# Allegro board Single PMT Data AcquisitionV_3P3.brd (continued)
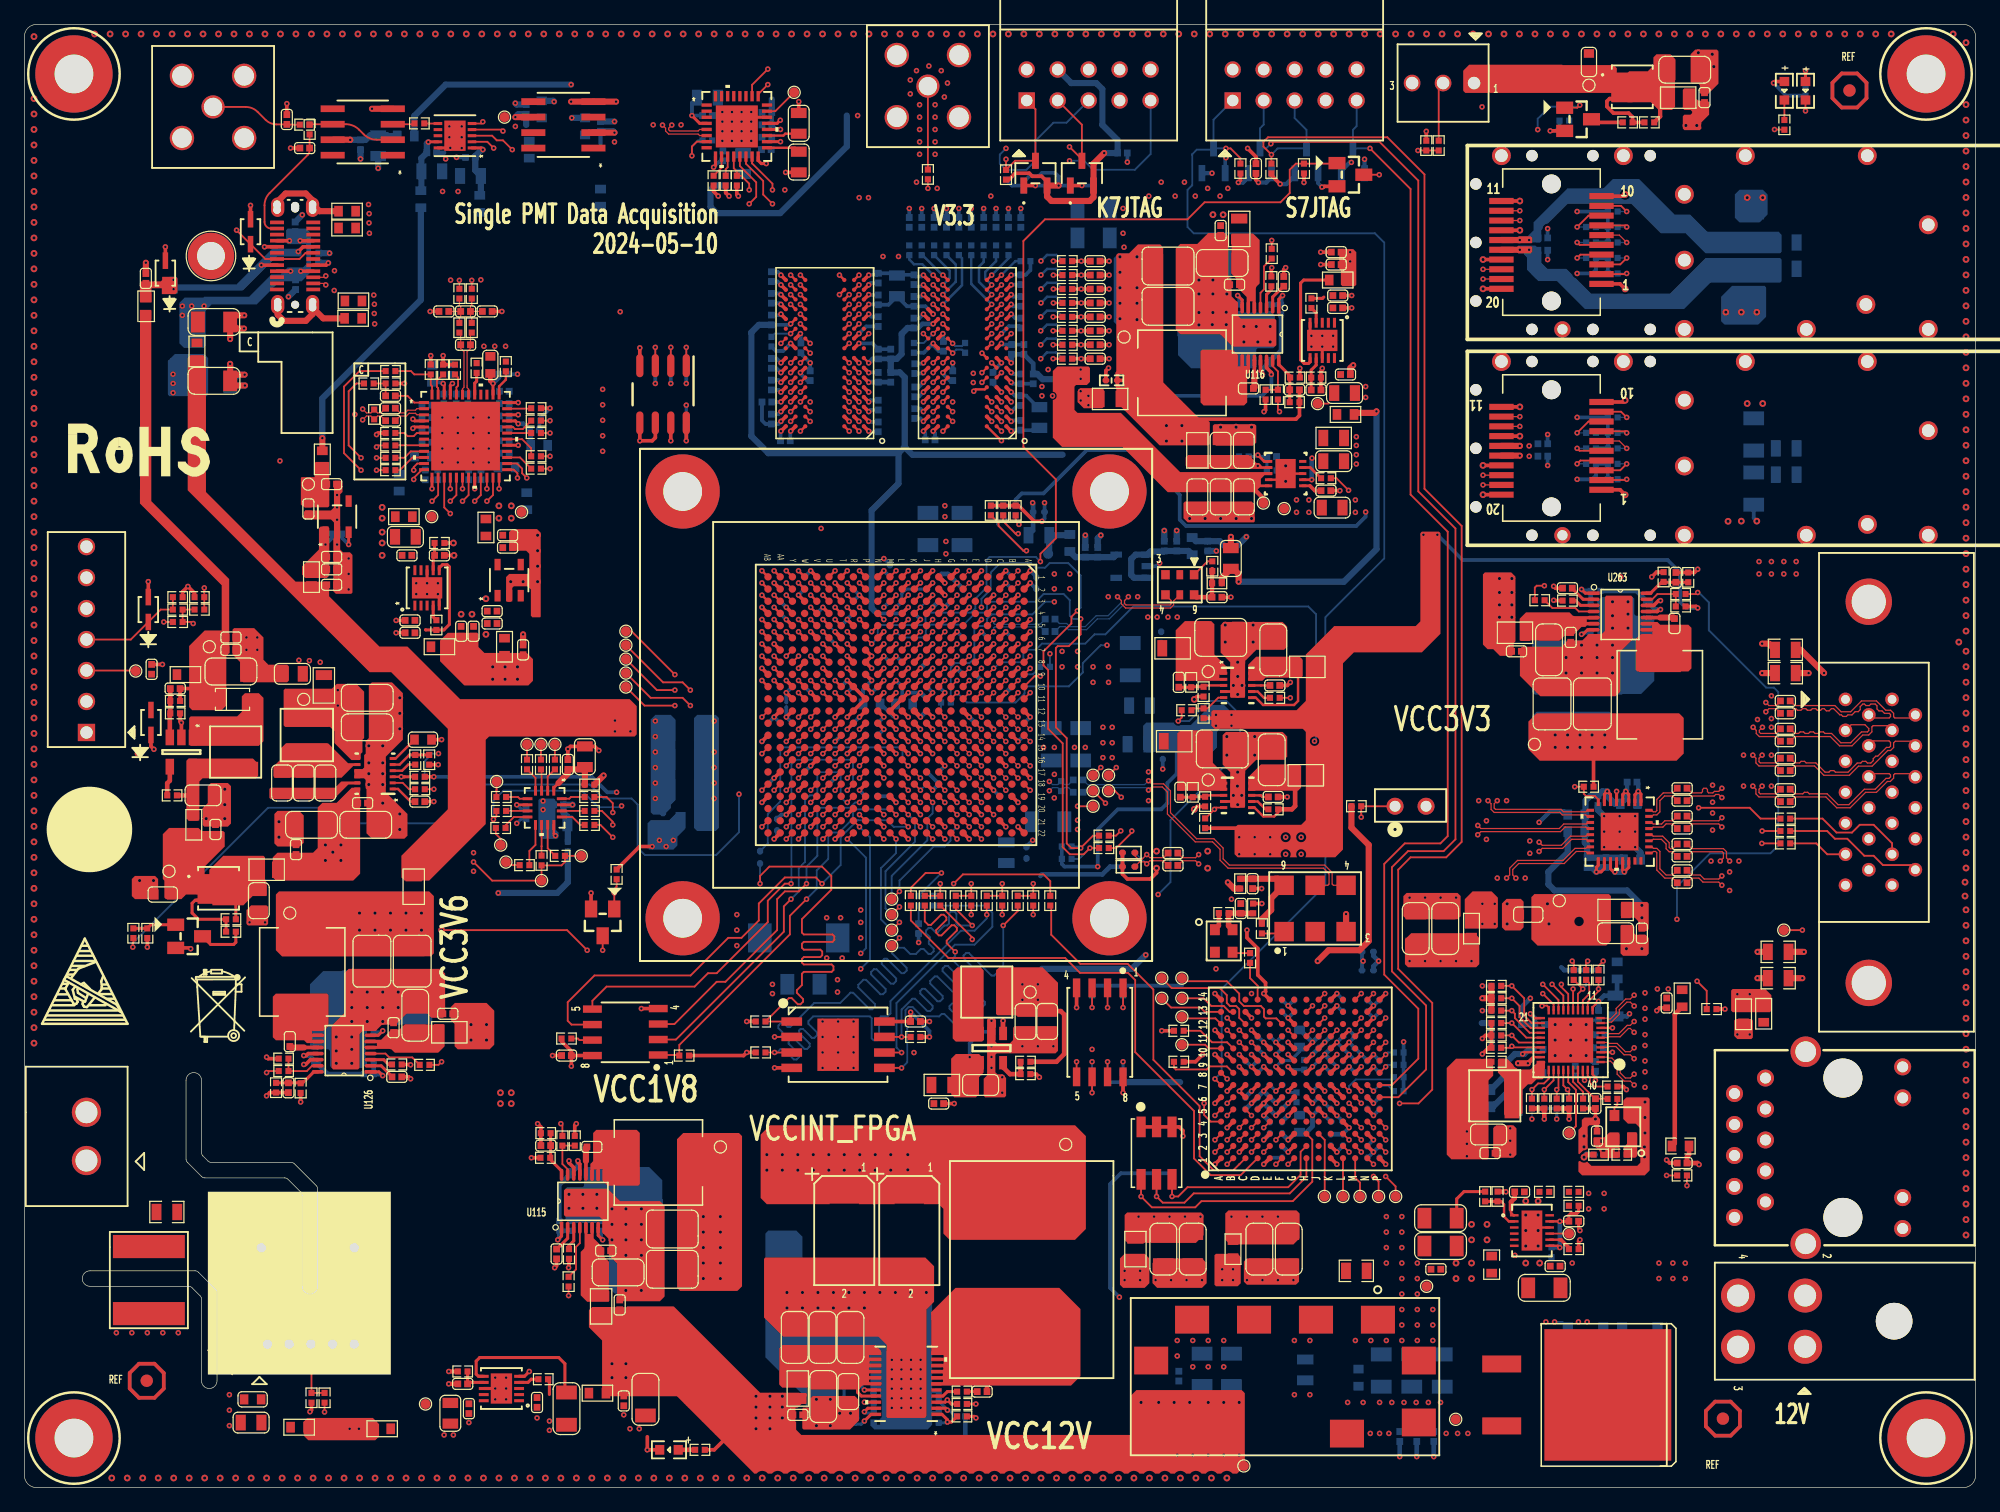
[diagram p0: board, top side]
## Routing (per net, layer and track width the routed paths; a pad name or vN(x,y) marks a point on that pad's centre or on a via; arc(x,y) is an arc through that point) (continued)
FPGA_CONFIG_D15: length 76.7
  TOP w0.152: U88.F3 v1(102.63,28.52) ; U1.J22 v1(74.48,53.19)
  ART03 w0.102: v1(74.48,53.19) 74.48,51.79 74.69,51.57 74.84,51.57 75.39,52.13 75.53,52.13 75.68,51.98 75.68,51.84 75.12,51.28 75.12,51.14 75.27,51 75.41,51 75.97,51.55 76.11,51.55 76.25,51.41 76.25,51.26 75.72,50.73 75.72,50.59 75.94,50.37 76.08,50.37 76.64,50.93 76.79,50.93 76.93,50.79 76.93,50.64 76.37,50.08 76.37,49.94 76.61,49.7 76.61,49.36 76.13,48.89 75.99,48.89 75.62,49.26 75.47,49.26 75.33,49.11 75.33,48.97 75.7,48.6 75.7,48.45 75.62,48.38 75.48,48.38 74.28,49.58 74.13,49.58 73.99,49.44 73.99,49.29 75.19,48.09 75.19,47.95 75.07,47.83 74.93,47.83 73.51,49.24 73.37,49.24 73.23,49.1 73.23,48.95 74.64,47.54 74.64,47.4 74.42,47.18 74.28,47.18 73.18,48.28 73.04,48.28 72.9,48.13 72.9,47.99 73.99,46.89 73.99,46.75 73.72,46.47 73.57,46.47 73.2,46.84 73.06,46.84 72.91,46.7 72.91,46.56 73.29,46.18 73.29,46.04 73.19,45.95 72.82,45.95 72.72,45.85 72.72,45.64 72.82,45.54 73.27,45.54 73.37,45.44 73.37,45.24 73.27,45.13 72.82,45.13 72.72,45.03 72.72,44.3 72.82,44.2 73.79,44.2 73.89,44.09 73.89,43.89 73.79,43.79 72.82,43.79 72.72,43.69 72.72,43 78.11,37.62 78.11,37.13 78.41,36.83 79.58,36.83 79.71,36.7 79.71,34.7 80.59,33.82 80.59,32.68 80.81,32.46 80.81,32.32 80.62,32.12 80.62,31.98 80.76,31.84 80.9,31.84 81.1,32.03 81.24,32.03 81.39,31.89 81.39,31.74 81.19,31.55 81.19,31.4 81.34,31.26 81.48,31.26 81.67,31.45 81.82,31.45 81.92,31.35 93.11,31.35 96.49,27.97 97.94,27.97 98.12,28.14 98.12,28.73 98.31,28.91 102.23,28.91 v1(102.63,28.52)
FPGA_CONFIG_RDWR_B: length 73.8
  TOP w0.152: U88.G1 v1(103.63,26.52) ; U1.N22 v1(70.48,53.19)
  ART08 w0.102: v1(103.63,26.52) 103.04,25.93 102.41,25.93 102.08,26.26 102.08,26.72 101.73,27.08 99.29,27.08 99.14,27.23 99.14,27.64 98.86,27.91 91.13,27.91 90.68,28.35 75.26,28.35 75.16,28.46 75.16,28.5 75.05,28.6 74.85,28.6 74.75,28.5 74.75,28.46 74.65,28.35 74.44,28.35 74.34,28.46 74.34,28.5 74.24,28.6 74.04,28.6 73.94,28.5 73.94,28.46 73.83,28.35 73.63,28.35 73.53,28.46 73.53,28.5 73.43,28.6 73.23,28.6 73.12,28.5 73.12,28.46 73.02,28.35 72.89,28.35 70.21,31.04 70.21,44.93 70.31,45.03 71.25,45.03 71.35,45.14 71.35,45.34 71.25,45.44 70.31,45.44 70.21,45.54 70.21,45.75 70.31,45.85 71.25,45.85 71.35,45.95 71.35,46.15 71.25,46.25 70.31,46.25 70.21,46.35 70.21,46.56 70.31,46.66 71.25,46.66 71.35,46.76 71.35,46.96 71.25,47.07 70.31,47.07 70.21,47.17 70.21,47.47 70.51,47.78 71.25,47.78 72.44,48.97 72.44,48.99 72.54,49.09 73.1,49.09 73.2,49.2 73.2,49.4 73.1,49.5 72.54,49.5 72.44,49.6 72.44,49.81 72.54,49.91 73.1,49.91 73.2,50.01 73.2,50.21 73.1,50.31 72.54,50.31 72.44,50.42 72.44,50.62 72.54,50.72 73.1,50.72 73.2,50.82 73.2,51.02 73.1,51.13 72.54,51.13 71.9,51.77 71.75,51.77 71.43,51.45 71.28,51.45 71.14,51.59 71.14,51.74 71.46,52.06 71.46,52.2 v1(70.48,53.19)
FPGA_DAC_CLR_N: length 115.9
  TOP w0.152: 36.7,111.87 37.45,111.87 v1(37.59,112.01) ; U1.B11 v1(81.48,65.19)
  ART03 w0.102: v1(37.59,112.01) 38.99,110.62 45.5,110.62 46.33,111.45 46.33,113.86 50.09,117.63 61.57,117.63 66.72,112.48 66.72,112.2 72.93,105.99 76.86,105.99 78.08,107.21 79.61,107.21 80.83,105.99 88.43,105.99 90.78,103.65 90.78,95.05 90.55,94.82 90.55,87.88 94.54,83.89 94.54,80.68 91.69,77.84 91.69,72.64 90.17,71.12 90.17,68.33 89.79,67.94 87.6,67.94 87.19,67.53 87.19,66.99 86.66,66.47 84.56,66.47 83.95,65.86 82.15,65.86 v1(81.48,65.19)
FPGA_DAC_SPI_CS_N: length 107.7
  TOP w0.152: U1.A10 82.83,66.55 v1(83.31,66.55) ; v1(38.48,109.86) 37.96,110.37 36.7,110.37
  ART03 w0.102: v1(83.31,66.55) 83.75,66.55 85.95,68.75 85.95,69.32 88.01,71.37 88.01,73.29 89.99,75.27 89.99,77.03 93.47,80.51 93.47,83.67 89.23,87.92 89.23,90.92 88.49,91.65 88.49,102.43 85.21,105.71 80.71,105.71 79.59,106.83 78.32,106.83 77.2,105.71 72.82,105.71 66.32,112.21 66.32,112.31 61.38,117.25 50.25,117.25 46.71,113.71 46.71,111.29 45.65,110.24 38.86,110.24 v1(38.48,109.86)
FPGA_DAC_SPI_DIN: length 119.9
  TOP w0.152: v1(39.24,111.25) 39.12,111.37 36.7,111.37 ; U1.D11 v1(79.48,65.19)
  ART03 w0.102: v1(39.24,111.25) 39.5,111 45.34,111 45.95,111.61 45.95,114.02 49.93,118.01 61.58,118.01 67,112.59 67,112.32 71.42,107.9 84.38,107.9 85.98,106.3 90.04,106.3 91.69,104.65 91.69,95.25 91.52,95.07 91.19,95.07 91.01,94.89 91.01,93.52 90.83,93.34 90.83,88 94.82,84.01 94.82,80.57 91.97,77.72 91.97,72.04 90.68,70.74 90.68,66.93 90.45,66.7 87.68,66.7 86.56,65.58 82.68,65.58 82.67,65.59 82.22,65.59 81.92,65.28 81.92,65.02 81.69,64.8 79.87,64.8 v1(79.48,65.19)
FPGA_DAC_SPI_SCLK: length 104.1
  TOP w0.152: v1(40.01,109.73) 39.24,110.49 38.73,110.49 38.35,110.87 36.7,110.87
  ART03 w0.102: v1(40.01,109.73) 40.11,109.83 45.82,109.83 47.12,111.12 47.12,113.54 50.42,116.84 61.21,116.84 65.91,112.14 65.91,112.04 72.65,105.31 77.37,105.31 78.49,106.43 79.43,106.43 80.54,105.31 85.04,105.31 88.09,102.26 88.09,91.48 88.82,90.75 88.82,87.75 93.07,83.51 93.07,80.68 89.59,77.2 89.59,75.44 87.38,73.23 87.38,71.37 85.34,69.34 85.05,69.34 v1(84.09,68.38)
  BOTTOM w0.152: R2116.2 v1(84.09,68.38)
FPGA_DONE_R: length 112
  TOP w0.152: U1.P6 v1(69.48,69.19) ; Q15.1 107.59,108.58 R395.2 104.26,108.58 103.76,108.08 103.76,106.17 103,105.41 96.77,105.41 95.38,104.01 83.69,104.01 81.92,102.23 81.92,85.34 84.58,82.68 84.58,77.85 83.31,76.58 v1(83.31,75.95) ; v1(76.2,49.53) 76.96,50.29 83.57,50.29 84.12,49.74 R680.1
  ART03 w0.102: v1(69.48,69.19) 69.49,69.19 69.98,68.71 71.63,68.71 72.01,68.33 72.01,66.1 72.31,65.8 72.5,65.8 72.87,65.43 72.87,50.83 73.7,50 75.73,50 v1(76.2,49.53)
  BOTTOM w0.152: v1(83.31,75.95) 82.93,76.33 79.15,76.33 78.9,76.08 78.9,73.82 77.98,72.9 77.98,72.1 77.63,71.75 74.18,71.75 73.9,71.48 73.9,70.89 73.74,70.74 70.23,70.74 69.98,70.48 69.98,69.69 v1(69.48,69.19)
FPGA_DONE_SFPGA: length 32.5
  TOP w0.152: 84.12,47.73 84.2,47.65 84.2,45.34 86.59,42.95 90.47,42.95 92.57,40.85 92.57,35.09 96.37,31.29 96.37,27.18 97.52,26.04 99.14,26.04 99.62,26.52 99.63,26.52 U88.C1
FPGA_INIT_B_R: length 50.3
  TOP w0.152: U1.L7 v1(72.48,69.19) ; v1(86.35,71.91) 85.85,71.41 85.85,70.87 83.57,68.58 83.57,67.44 83.95,67.06 83.95,62.23 85.14,61.04 85.14,52.53 85.72,51.94 86.87,51.94 v1(87.38,52.45) R676.1
  ART08 w0.102: v1(78.48,72.19) 77.34,71.06 77.34,70.99 76.96,70.61 75.31,70.61 74.93,70.23 74.93,68.81 74.83,68.71 72.96,68.71 v1(72.48,69.19)
  BOTTOM w0.152: v1(78.48,72.19) 78.48,72.89 79.25,73.66 79.25,75.06 80.01,75.82 82.55,75.82 82.93,75.44 83.69,75.44 84.07,75.82 85.6,75.82 86.61,74.8 86.61,72.17 v1(86.35,71.91) ; v1(87.38,52.45) 86.49,51.56 R4.2
FPGA_INIT_B_SFPGA: length 44.1
  TOP w0.152: R676.2 89.53,52.45 90.81,53.72 v1(90.81,53.85) ; U88.E2 v1(101.63,27.52)
  ART03 w0.102: v1(90.81,53.85) 92.46,53.85 93.47,52.83 97.39,52.83 99.3,50.93 103.22,50.93 104.78,49.37 104.78,29.68 104.02,28.92 104.02,27.26 103.89,27.12 102.02,27.12 v1(101.63,27.52)
FPGA_M0: length 21.4
  TOP w0.152: U1.H7 v1(75.48,69.19) ; v1(82.17,76.83) 81.92,76.83 79.88,78.87 79.88,79.1 R337.2
  ART03 w0.102: v1(82.17,76.83) 81.99,76.66 81.99,74.8 81.87,74.69 81.87,74.03 81.64,73.8 81.31,73.8 81.25,73.86 80.95,73.86 80.67,73.59 80.18,73.59 80.08,73.48 80.08,72.84 79.82,72.59 79.31,72.59 79.08,72.36 79.08,72.17 78.49,71.59 78.31,71.59 78.08,71.36 78.08,71.17 76.71,69.8 75.77,69.8 75.48,69.51 v1(75.48,69.19)
  BOTTOM w0.152: v1(82.17,76.83) 81.92,76.83 79.76,78.99 79.76,79.23 R337.2
FPGA_M1: length 17.2
  TOP w0.152: v1(81.5,78.23) 81.28,78.23 80.26,79.25 R338.2 ; U1.H6 v1(75.48,70.19)
  ART03 w0.102: v1(75.48,70.19) 75.81,70.19 76.2,70.59 77.2,70.59 77.85,71.24 77.85,71.64 78.08,71.87 78.08,72.35 78.52,72.8 79.74,72.8 79.87,72.93 79.87,74.15 80.39,74.67 80.77,74.67 81.08,74.98 81.08,75.95 81.25,76.12 81.25,77.99 v1(81.5,78.23)
  BOTTOM w0.152: v1(81.5,78.23) 81.28,78.23 80.52,78.99 80.52,79.48 R338.2
FPGA_M2: length 22
  TOP w0.152: R339.2 81.28,79.27 v1(81.55,78.99) ; U1.J5 v1(74.48,71.19)
  ART03 w0.102: v1(74.48,71.19) 74.48,70.75 74.08,70.36 74.08,69.03 74.31,68.8 75.64,68.8 76.07,69.23 76.07,69.35 76.32,69.59 77.32,69.59 78.53,70.8 78.67,70.8 78.87,71 78.87,71.15 79.38,71.65 79.71,71.65 79.85,71.8 80.66,71.8 80.87,72.01 80.87,72.85 81.08,73.05 81.08,73.35 81.31,73.59 81.87,73.59 82.08,73.8 82.08,74.36 82.35,74.63 82.47,74.63 82.88,75.03 82.88,77.9 81.79,78.99 v1(81.55,78.99)
  BOTTOM w0.152: R339.2 81.28,79.27 v1(81.55,78.99)
FPGA_MASTER_CLOCK_N: length 27.1
  TOP w0.102: v1(92.18,57.21) 92.43,57.46 93.31,57.46 93.73,57.04 93.73,55.25 96.01,52.96 97.43,52.96 98.04,52.35 98.04,51.46 98.7,50.8 106.52,50.8 106.98,50.34 106.98,49.5 106.88,49.4 U103.5
  BOTTOM w0.102: C941.1 87.19,57.4 91.98,57.4 v1(92.18,57.21)
FPGA_MASTER_CLOCK_P: length 27.5
  TOP w0.102: U103.4 107.34,49.4 107.23,49.5 107.23,50.44 106.63,51.05 98.81,51.05 98.3,51.56 98.3,52.45 97.54,53.21 96.12,53.21 93.98,55.35 93.98,57.15 93.41,57.72 92.43,57.72 v1(92.18,57.97)
  BOTTOM w0.102: v1(92.18,57.97) 91.87,57.66 87.19,57.66 C942.1
FPGA_PLL_CE: length 88.2
  TOP w0.152: U1.E13 v1(78.48,62.19) ; v1(54.74,109.22) 54.74,109.98 55.14,110.38 U267.7
  ART03 w0.102: v1(54.74,109.22) 54.74,106.93 57.28,104.39 65.53,104.39 68.55,101.37 84.28,101.37 84.78,100.87 84.78,91.42 84.71,91.35 84.71,76.55 83.04,74.88 83.04,73.95 81.84,72.75 81.23,72.75 81.08,72.6 81.08,71.79 80.88,71.59 80.31,71.59 80.06,71.33 80.06,70.99 79.78,70.71 79.4,70.71 79.04,70.36 79.04,69.98 78.84,69.77 78.49,69.77 78.28,69.57 77.87,69.57 77.87,68.91 77.7,68.73 77.39,68.73 77.01,68.35 77.01,68.1 76.5,67.59 75.01,67.59 74.9,67.48 74.9,66.93 74.68,66.7 74.35,66.7 74.08,66.44 74.08,66.02 74.34,65.76 74.57,65.76 74.88,65.46 74.88,64.93 75.29,64.52 76.99,64.52 78,63.5 78,62.82 78.48,62.34 v1(78.48,62.19)
  BOTTOM w0.152: R2107.1 55.24,110.49 54.74,109.98 v1(54.74,109.22)
FPGA_PLL_CLK_IN: length 80.7
  TOP w0.254: U267.21 61.73,111.88 v1(61.98,112.14)
  ART03 w0.102: v1(84.45,72.64) 85.34,72.64 88.42,75.72 88.42,77.62 91.77,80.98 91.77,83.44 87.86,87.35 87.86,90.2 87.07,90.99 87.07,101.38 84.81,103.63 69.6,103.63 63.12,110.11 63.12,111.01 v1(61.98,112.14)
  BOTTOM w0.152: R2102.1 75.97,67.27 76.31,67.61 77.49,67.61 77.9,68.02 77.9,70.5 78.05,70.66 78.66,70.66 78.94,70.94 78.94,71.25 79.3,71.61 82.66,71.61 83.69,72.64 v1(84.45,72.64)
FPGA_PLL_OD0: length 79.1
  TOP w0.152: U267.13 58.67,108.39 60.01,107.05 60.01,105.85 v1(59.44,105.28) ; U1.E12 v1(78.48,63.19)
  ART03 w0.102: v1(59.44,105.28) 59.94,104.78 65.69,104.78 68.61,101.85 84.28,101.85 85.05,101.08 85.05,91.34 84.99,91.27 84.99,76.43 83.25,74.7 83.25,73.56 82.88,73.19 82.88,72.8 81.71,71.63 81.36,71.63 80.98,71.25 80.98,70.87 80.9,70.79 80.24,70.79 80.01,70.56 80.01,70.08 79.58,69.65 79.22,69.65 78.99,69.42 78.99,68.88 78.82,68.71 78.08,68.71 78.08,68.51 77.98,68.4 77.98,67.82 77.88,67.72 77.39,67.72 77.04,67.36 77.04,67.2 76.64,66.8 75.43,66.8 75.08,66.45 75.08,66.03 75.4,65.71 75.59,65.71 75.92,65.38 75.92,65.19 76.31,64.8 77.31,64.8 78.48,63.64 v1(78.48,63.19)
FPGA_PLL_OD1: length 72.8
  TOP w0.152: U267.14 59.17,108.57 60.58,107.16 60.58,106.05 v1(61.34,105.28) ; U1.H10 v1(75.48,66.19)
  ART03 w0.102: v1(61.34,105.28) 65.9,105.28 68.87,102.31 84.33,102.31 85.33,101.31 85.33,91.22 85.27,91.16 85.27,76.32 83.53,74.58 83.53,73.45 83.24,73.15 83.24,72.69 81.94,71.4 81.94,70.94 80.77,69.77 80.42,69.77 80.04,69.39 80.04,68.88 79.79,68.64 79.21,68.64 78.87,68.31 78.87,67.85 78.71,67.69 78.31,67.69 78.05,67.44 78.05,66.84 77.8,66.59 77.13,66.59 76.96,66.42 76.96,66.04 76.72,65.8 75.87,65.8 v1(75.48,66.19)
FPGA_PLL_OD2: length 72.2
  TOP w0.152: U267.15 59.67,108.6 61.34,106.93 v1(61.34,106.43) ; U1.E11 v1(78.48,65.19)
  ART03 w0.102: v1(78.48,65.19) 78.48,65.64 79.08,66.24 79.08,66.5 79.21,66.62 79.73,66.62 79.93,66.83 79.93,67.26 80.26,67.59 80.44,67.59 80.98,68.12 80.98,68.4 81.33,68.76 81.81,68.76 81.94,68.88 81.94,69.37 82.19,69.62 82.63,69.62 83.27,70.27 83.27,70.55 84.05,71.32 84.05,72.81 84.39,73.15 84.79,73.15 85.27,73.63 85.27,75.11 86.21,76.05 86.21,90.83 86.15,90.89 86.15,101.69 84.63,103.2 69.24,103.2 66.27,106.17 63.37,106.17 62.61,106.93 61.85,106.93 v1(61.34,106.43)
FPGA_PLL_PR0: length 74.6
  TOP w0.152: U267.25 60.17,114.27 v1(60.96,115.06) ; U1.B8 v1(81.48,68.19)
  ART03 w0.102: v1(60.96,115.06) 71.98,104.04 85.34,104.04 87.38,102 87.38,91.22 88.14,90.46 88.14,87.46 92.38,83.22 92.38,80.97 88.9,77.49 88.9,75.73 83.59,70.42 83.59,69.6 82.58,68.59 82.12,68.59 81.73,68.19 v1(81.48,68.19)
FPGA_PLL_PR1: length 79.6
  TOP w0.152: v1(60.96,116.33) 59.67,115.04 U267.26 ; U1.C9 v1(80.48,67.19)
  ART03 w0.102: v1(60.96,116.33) 61.85,115.44 61.85,114.57 72.1,104.32 85.46,104.32 87.68,102.09 87.68,91.31 88.42,90.58 88.42,87.58 92.66,83.34 92.66,80.85 89.18,77.37 89.18,75.61 83.87,70.3 83.87,68.96 82.66,67.75 81.03,67.75 v1(80.48,67.19)
FPGA_PLL_RST_N: length 72.8
  TOP w0.152: v1(59.44,106.43) 59.44,106.93 58.78,107.59 R2106.1 58.42,107.95 58.17,108.2 U267.12 ; U1.F10 v1(77.48,66.19)
  ART03 w0.102: v1(59.44,106.43) 60.07,106.43 60.81,105.69 66.07,105.69 69.04,102.72 84.51,102.72 85.74,101.48 85.74,91.06 85.67,90.99 85.67,76.15 84.86,75.34 84.86,74.69 83.94,73.77 83.94,73.28 83.64,72.98 83.64,71.6 82.75,70.71 82.25,70.71 82.02,70.48 82.02,69.95 81.71,69.65 81.25,69.65 80.98,69.37 80.98,68.91 80.8,68.73 80.39,68.73 80.01,68.35 80.01,68 79.67,67.65 79.08,67.65 78.87,67.44 78.87,66.83 78.74,66.7 78.33,66.7 77.83,66.19 v1(77.48,66.19)
FPGA_PROG_B_R: length 43.8
  TOP w0.152: U1.M6 v1(71.48,70.19) ; v1(86.61,71.25) 86.61,69.98 85.65,69.01 84.73,69.01 84.58,68.86 84.58,62.36 85.47,61.47 85.47,52.83 85.85,52.45 v1(86.61,52.45) 87.63,53.47 R678.1
  BOTTOM w0.152: v1(86.61,71.25) 85.99,71.25 85.72,71.51 85.72,72.77 85.22,73.28 83.57,73.28 82.93,72.64 79.12,72.64 78.93,72.45 78.93,71.95 78.74,71.75 78,71.75 77.02,70.77 74.33,70.77 73.91,70.36 73.91,69.98 73.66,69.72 71.95,69.72 v1(71.48,70.19) ; v1(86.61,52.45) 86.49,52.58 R42.2
FPGA_PROG_B_SFPGA: length 46.1
  TOP w0.152: v1(89.9,53.86) 89.51,53.47 R678.2 ; U88.D2 v1(100.63,27.52)
  ART03 w0.102: v1(89.9,53.86) 90.44,54.4 92.67,54.4 93.85,53.21 97.41,53.21 99.31,51.31 103.38,51.31 105.16,49.53 105.16,29.72 104.23,28.79 104.23,27.14 104,26.91 101.23,26.91 v1(100.63,27.52)
FPGA_RESET: length 1.4
  TOP w0.152: U1.E19 v1(78.48,56.19)
  BOTTOM w0.152: v1(78.48,56.19) U1.E19 R41.1
FPGA_SFP1_IIC_SCL: length 84.6
  TOP w0.152: v1(127.32,102.11) 127.52,101.92 P3.5 ; U1.G8 v1(76.48,68.19)
  ART08 w0.102: v1(127.32,102.11) 127.05,102.11 124.05,99.12 124.05,97.21 122.91,96.07 122.91,90.23 124.44,88.7 124.44,86.16 124.82,85.78 124.82,84.64 125.32,84.13 125.32,83.08 126.49,81.92 126.49,79.63 125.98,79.12 125.35,79.12 125.22,78.99 114.99,78.99 113.72,77.72 106.3,77.72 105.8,77.22 96.91,77.22 96.37,76.68 92.8,76.68 90,73.87 87.59,73.87 85.3,71.59 82.28,71.59 81.99,71.3 81.99,71.07 80.58,69.65 78.31,69.65 78.31,69.65 78.03,69.37 78.03,68.99 77.8,68.76 77.04,68.76 v1(76.48,68.19)
  BOTTOM w0.102: R516.2 v1(127.32,102.11)
FPGA_SFP1_IIC_SDA: length 84.1
  TOP w0.152: P3.4 127.6,101.12 v1(127.32,100.84) ; U1.E8 v1(78.48,68.19)
  ART08 w0.102: v1(78.48,68.19) 79.08,68.8 80.78,68.8 80.93,68.95 80.93,69.63 81.92,70.61 86.87,70.61 87.76,71.5 87.76,73.03 88.2,73.47 90.16,73.47 92.97,76.27 105.48,76.27 106.28,77.07 126.58,77.07 127.36,77.85 127.36,81.68 125.93,83.11 125.93,84.16 125.32,84.77 125.32,88.2 126.47,89.34 126.47,91.12 124.44,93.15 124.44,95.18 126.34,97.09 126.34,99.86 v1(127.32,100.84)
  BOTTOM w0.102: R517.2 v1(127.32,100.84)
FPGA_SFP1_LOS: length 85.5
  TOP w0.152: v1(127.32,103.38) 128.26,104.32 P3.8 ; U1.H9 v1(75.48,67.19)
  ART08 w0.102: v1(127.32,103.38) 126.04,103.38 124.44,101.78 124.44,101.15 123.55,100.26 123.55,97.47 122.47,96.39 122.47,90.04 123.93,88.58 123.93,86.04 124.31,85.66 124.31,84.39 123.93,84 123.93,80.04 123.29,79.4 114.82,79.4 113.91,78.49 97.6,78.49 96.2,77.09 92.63,77.09 89.83,74.28 87.42,74.28 85.13,71.99 81.92,71.99 81.61,71.68 81.13,71.68 80.87,71.42 80.87,71.03 80.51,70.67 78.29,70.67 76.89,69.27 76.89,69.04 76.64,68.8 76.29,68.8 75.92,68.43 75.92,67.64 v1(75.48,67.19)
  BOTTOM w0.102: R14.2 v1(127.32,103.38)
FPGA_SFP1_MOD_DETECT: length 85.4
  TOP w0.102: P3.6 130.79,102.72 v1(131.39,102.11)
  TOP w0.152: U1.C8 v1(80.48,68.19)
  ART08 w0.102: v1(131.39,102.11) 129.72,102.11 128.25,100.64 128.25,98.48 124.94,95.18 124.94,93.15 126.85,91.24 126.85,89.08 125.71,87.94 125.71,84.89 126.21,84.39 126.21,83.23 127.64,81.8 127.64,77.48 126.95,76.79 106.63,76.79 104.65,74.8 98.93,74.8 95,70.87 87.63,70.87 86.92,70.15 83.01,70.15 82.63,69.77 82.26,69.77 81.97,69.48 81.97,69.04 81.69,68.76 81.34,68.76 80.77,68.19 v1(80.48,68.19)
  BOTTOM w0.102: R13.2 v1(131.39,102.11)
FPGA_SFP1_RS0: length 2.9
  TOP w0.152: v1(131.39,103.38) 131.26,103.52 P3.7
  BOTTOM w0.102: R392.2 v1(131.39,103.38)
FPGA_SFP1_RS1: length 3
  TOP w0.152: v1(131.39,104.65) 130.93,105.12 P3.9
  BOTTOM w0.102: R391.2 v1(131.39,104.65)
FPGA_SFP1_RX_N: length 70.3
  TOP w0.102: U1.G3 v1(76.48,73.19) ; P3.12 v1(122.63,104.72)
  ART08 w0.102: v1(122.63,104.72) 122.43,104.52 119.19,104.52 110.68,96.01 108.33,96.01 107.44,96.9 99.44,96.9 98.93,97.41 95.12,97.41 94.36,96.65 90.68,96.65 90.3,96.27 90.3,95 89.66,94.36 89.66,89.79 87.4,87.53 84.99,87.53 79.86,82.4 79.86,78.42 76.88,75.44 76.88,72.95 76.72,72.79 76.58,72.79 76.48,72.9 v1(76.48,73.19)
FPGA_SFP1_RX_P: length 70.2
  TOP w0.102: P3.13 v1(122.63,103.92) ; U1.G4 v1(76.48,72.19)
  ART08 w0.102: v1(122.63,103.92) 122.43,104.11 119.35,104.11 110.85,95.61 108.16,95.61 107.27,96.49 102.38,96.49 102.28,96.39 101.97,96.39 101.87,96.49 101.57,96.49 101.46,96.39 101.16,96.39 101.06,96.49 99.27,96.49 98.76,97 95.29,97 94.53,96.24 90.85,96.24 90.7,96.1 90.7,94.83 90.07,94.19 90.07,89.62 87.57,87.12 85.16,87.12 80.26,82.23 80.26,78.54 77.08,75.36 77.08,72.87 76.81,72.59 76.58,72.59 76.48,72.49 v1(76.48,72.19)
FPGA_SFP1_TX_DISABLE: length 82
  TOP w0.152: U1.A8 v1(82.48,68.19) ; P3.3 130.86,100.32 v1(131.39,100.84)
  ART08 w0.102: v1(131.39,100.84) 127.23,96.68 127.23,88.96 126.09,87.81 126.09,85.02 126.59,84.51 126.59,84.12 129.39,81.32 129.39,77.53 128.37,76.51 107.13,76.51 104.31,73.69 98.3,73.69 95.2,70.59 87.99,70.59 87.27,69.88 83.16,69.88 82.88,69.59 82.88,69.03 82.48,68.63 v1(82.48,68.19)
  BOTTOM w0.102: R12.2 v1(131.39,100.84)
FPGA_SFP1_TX_FAULT: length 90
  TOP w0.152: U1.G11 v1(76.48,65.19) ; P3.2 131.33,99.52 v1(131.39,99.57)
  ART08 w0.102: v1(88.77,69.09) 95.65,69.09 97.75,71.2 103.98,71.2 107.97,75.19 129.21,75.19 131.17,77.15 131.17,78.29 130.8,78.65 130.8,85.51 127.61,88.7 127.61,95.8 v1(131.39,99.57)
  BOTTOM w0.102: R11.2 v1(131.39,99.57)
  BOTTOM w0.152: v1(76.48,65.19) 77.28,64.39 81.28,64.39 82.02,65.13 82.02,65.51 82.22,65.71 85.65,65.71 86.79,66.85 86.79,67.61 88.27,69.09 v1(88.77,69.09)
FPGA_SFP1_TX_N: length 61.2
  TOP w0.102: P3.19 v1(119.61,99.12) ; U1.F1 v1(77.48,75.19)
  ART08 w0.102: v1(119.61,99.12) 119.81,99.31 120.49,99.31 120.59,99.21 120.59,97.48 119,95.89 113.84,95.89 107.77,89.81 107.15,89.81 104.73,87.4 102.32,87.4 100.9,85.98 100.85,85.98 100.71,85.98 100.52,85.78 100.52,85.6 100.32,85.4 100.14,85.4 99.94,85.21 99.94,85.17 99.94,85.02 99.78,84.86 98.77,84.86 98.67,84.96 98.36,84.96 98.26,84.86 97.96,84.86 97.86,84.96 97.55,84.96 97.45,84.86 97.15,84.86 97.04,84.96 96.74,84.96 96.64,84.86 96.33,84.86 96.23,84.96 95.93,84.96 95.82,84.86 95.52,84.86 95.42,84.96 95.11,84.96 95.01,84.86 94.71,84.86 94.61,84.96 94.3,84.96 94.2,84.86 93.89,84.86 93.79,84.96 93.49,84.96 93.39,84.86 93.08,84.86 92.98,84.96 92.67,84.96 92.57,84.86 92.27,84.86 92.17,84.96 91.86,84.96 91.76,84.86 91.46,84.86 91.35,84.96 91.05,84.96 90.95,84.86 90.64,84.86 90.54,84.96 90.24,84.96 90.13,84.86 89.83,84.86 89.73,84.96 89.42,84.96 89.32,84.86 89.02,84.86 88.92,84.96 88.61,84.96 88.51,84.86 87.97,84.86 85.95,82.85 85.95,81.96 84.29,80.29 83.02,80.29 82.14,79.42 82.14,78.27 81.49,77.62 80.54,77.62 79.38,76.45 79.38,75.16 79.11,74.9 78.97,74.9 78.87,74.79 77.58,74.79 77.48,74.9 v1(77.48,75.19)
FPGA_SFP1_TX_P: length 61.2
  TOP w0.102: U1.F2 v1(77.48,74.19) ; P3.18 v1(119.61,99.92)
  ART08 w0.102: v1(119.61,99.92) 119.81,99.72 120.66,99.72 121,99.38 121,97.31 119.17,95.48 114.01,95.48 107.94,89.41 107.31,89.41 104.9,87 102.49,87 99.95,84.45 88.14,84.45 86.36,82.68 86.36,81.79 84.45,79.88 83.19,79.88 82.55,79.25 82.55,78.11 81.66,77.22 80.71,77.22 79.78,76.29 79.78,74.99 79.28,74.49 78.97,74.49 78.87,74.59 77.58,74.59 77.48,74.49 v1(77.48,74.19)
FPGA_SFP1_VCCR: length 1.5
  TOP w0.508: P3.15 v1(122.63,102.32)
  vias: v1(123.39,102.31)
FPGA_SFP1_VCCT: length 1.5
  TOP w0.508: P3.16 v1(122.63,101.52)
  vias: v1(123.39,101.52)
FPGA_SFP2_IIC_SCL: length 65.2
  TOP w0.152: U1.A9 v1(82.48,67.19) ; P4.5 127.52,85.03 v1(127.32,85.23)
  ART08 w0.102: v1(127.32,85.23) 128.14,85.23 130.04,83.33 130.04,77.21 128.68,75.85 107.55,75.85 103.78,72.08 97.84,72.08 95.79,70.03 88.57,70.03 87.86,69.32 83.97,69.32 83.11,68.45 83.11,67.82 v1(82.48,67.19)
  BOTTOM w0.102: R2144.2 v1(127.32,85.23)
FPGA_SFP2_IIC_SDA: length 67.3
  TOP w0.152: U1.E9 v1(78.48,67.19) ; v1(127.32,83.96) 127.6,84.23 P4.4
  ART08 w0.102: v1(78.48,67.19) 78.98,67.69 82.55,67.69 82.88,68.02 82.88,68.66 83.82,69.6 87.63,69.6 88.34,70.31 95.58,70.31 97.63,72.35 103.52,72.35 107.39,76.23 128.6,76.23 129.76,77.39 129.76,81.96 127.76,83.96 v1(127.32,83.96)
  BOTTOM w0.102: R2145.2 v1(127.32,83.96)
FPGA_SFP2_LOS: length 70.5
  TOP w0.152: U1.C10 v1(80.48,66.19) ; v1(127.32,86.5) 128.26,87.43 P4.8
  ART08 w0.102: v1(80.48,66.19) 80.96,66.67 82.6,66.67 83.41,67.49 83.41,68.3 84.1,68.99 87.97,68.99 88.73,69.75 95.91,69.75 97.96,71.8 104.04,71.8 107.71,75.47 128.85,75.47 130.79,77.4 130.79,78.16 130.42,78.52 130.42,84.6 128.53,86.5 v1(127.32,86.5)
  BOTTOM w0.102: R2151.2 v1(127.32,86.5)
FPGA_SFP2_MOD_DETECT: length 77.3
  TOP w0.102: v1(131.39,85.23) 130.79,85.83 P4.6
  TOP w0.152: U1.F13 v1(77.48,62.19)
  ART03 w0.102: v1(131.39,85.23) 131.83,84.79 131.83,83.69 131.57,83.44 131.44,83.44 130.3,82.3 130.3,77.22 127.13,74.04 127.13,71.25 118.95,63.07 101.14,63.07 100.25,63.96 96.47,63.96 96.42,64.01 80.39,64.01 79.88,63.5 79.88,60.96 79.63,60.71 78.23,60.71 78.03,60.91 78.03,61.39 77.66,61.76 77.66,62.01 v1(77.48,62.19)
  BOTTOM w0.102: R2148.2 v1(131.39,85.23)
FPGA_SFP2_RS0: length 2.9
  TOP w0.152: P4.7 131.26,86.63 v1(131.39,86.5)
  BOTTOM w0.102: R2149.2 v1(131.39,86.5)
FPGA_SFP2_RS1: length 3
  TOP w0.152: P4.9 130.93,88.23 v1(131.39,87.77)
  BOTTOM w0.102: R2150.2 v1(131.39,87.77)
FPGA_SFP2_RX_N: length 53.4
  TOP w0.102: P4.12 v1(122.63,87.83) ; U1.C3 v1(80.48,73.19)
  ART08 w0.102: v1(122.63,87.83) 122.43,87.64 121.41,87.64 120.66,88.39 112.52,88.39 111.77,87.64 108.78,87.64 106.64,85.5 103.72,85.5 100.42,82.19 92.93,82.19 88.36,77.62 83.65,77.62 82.38,76.35 81.22,76.35 80.78,75.91 80.78,75.6 80.88,75.5 80.88,72.95 80.72,72.79 80.58,72.79 80.48,72.9 v1(80.48,73.19)
FPGA_SFP2_RX_P: length 53.5
  TOP w0.102: P4.13 v1(122.63,87.03) ; U1.C4 v1(80.48,72.19)
  ART08 w0.102: v1(122.63,87.03) 122.43,87.23 121.24,87.23 120.49,87.99 116.69,87.99 116.59,87.88 116.28,87.88 116.18,87.99 115.88,87.99 115.77,87.88 115.47,87.88 115.37,87.99 115.06,87.99 114.96,87.88 114.66,87.88 114.56,87.99 114.25,87.99 114.15,87.88 113.84,87.88 113.74,87.99 113.44,87.99 113.34,87.88 113.03,87.88 112.93,87.99 112.69,87.99 111.93,87.23 108.95,87.23 106.81,85.09 103.89,85.09 100.58,81.79 93.1,81.79 88.53,77.22 83.82,77.22 82.55,75.95 81.39,75.95 81.18,75.74 81.18,75.6 81.08,75.5 81.08,72.87 80.81,72.59 80.58,72.59 80.48,72.49 v1(80.48,72.19)
FPGA_SFP2_TX_DISABLE: length 66.1
  TOP w0.152: P4.3 130.86,83.43 v1(131.39,83.96) ; U1.A11 v1(82.48,65.19)
  ART03 w0.102: v1(82.48,65.19) 82.57,65.1 98.04,65.1 98.7,64.44 100.41,64.44 101.09,63.75 118.87,63.75 126.62,71.5 126.62,74.42 129.92,77.72 129.92,82.49 v1(131.39,83.96)
  BOTTOM w0.102: R2147.2 v1(131.39,83.96)
FPGA_SFP2_TX_FAULT: length 82.5
  TOP w0.152: P4.2 131.33,82.63 v1(131.39,82.69) ; U1.D9 v1(79.48,67.19)
  ART03 w0.102: v1(105.79,61.21) 117.98,61.21 128.27,71.5 128.27,74.17 130.68,76.58 130.68,81.98 v1(131.39,82.69)
  BOTTOM w0.102: R2146.2 v1(131.39,82.69)
  BOTTOM w0.152: v1(79.48,67.19) 79.51,67.19 80.01,67.69 81.79,67.69 81.92,67.82 81.92,68.58 82.04,68.71 82.93,68.71 83.44,69.22 87,69.22 87.76,69.98 88.65,69.98 90.93,72.26 105.28,72.26 105.92,71.63 105.92,61.34 v1(105.79,61.21)
